# KiCad board Instruction_decoder.kicad_pcb
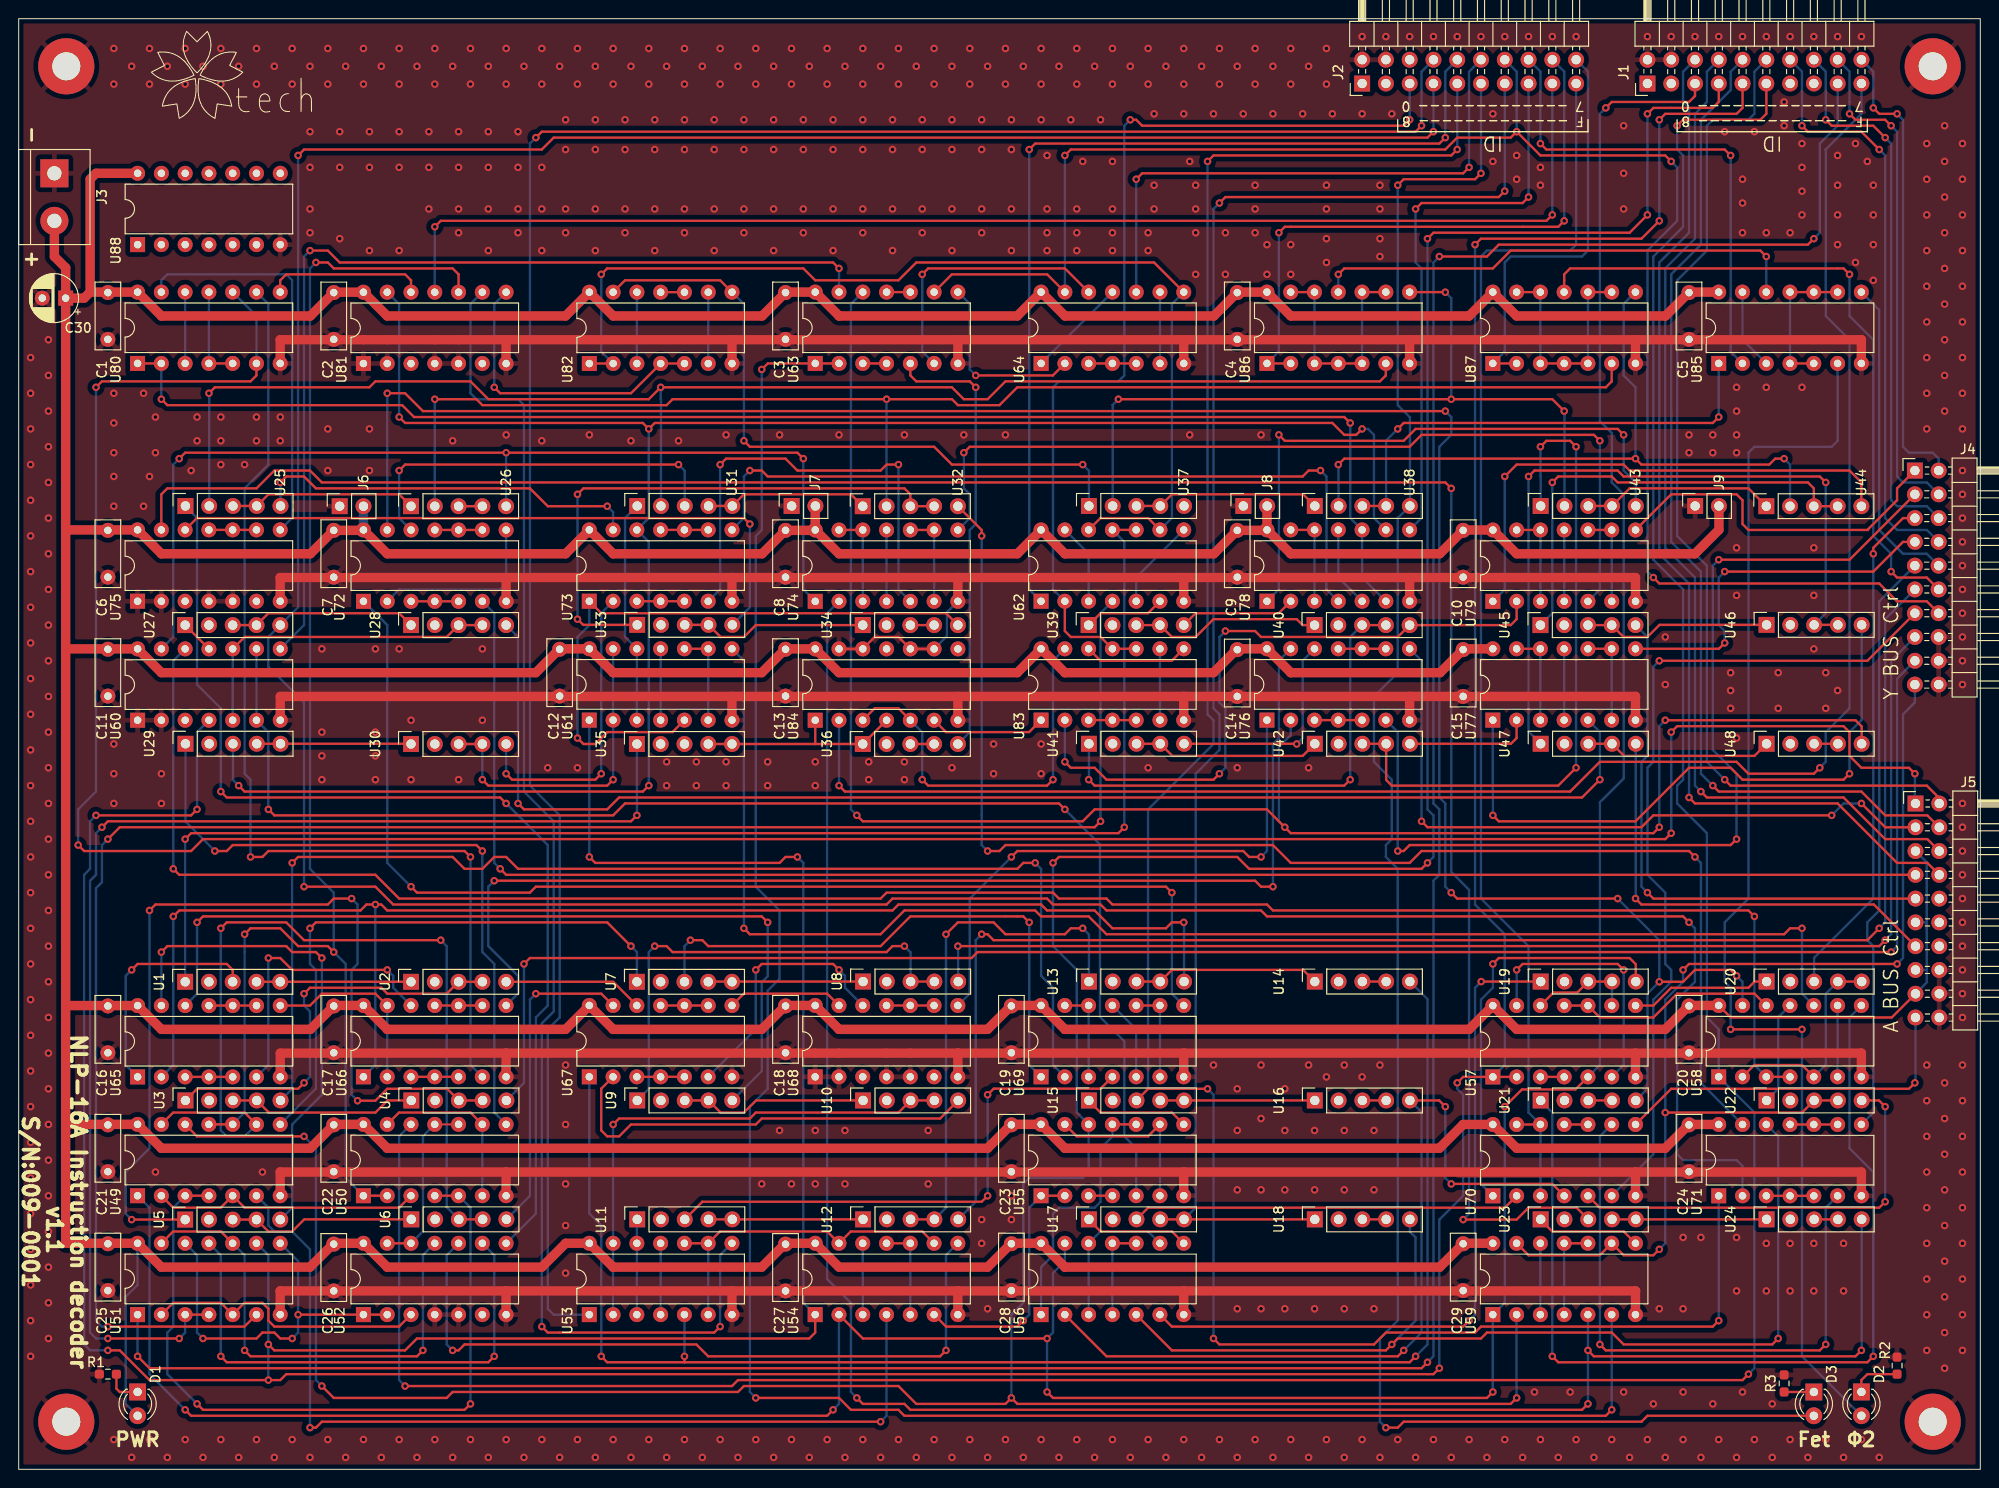
[diagram p0: board, top side]
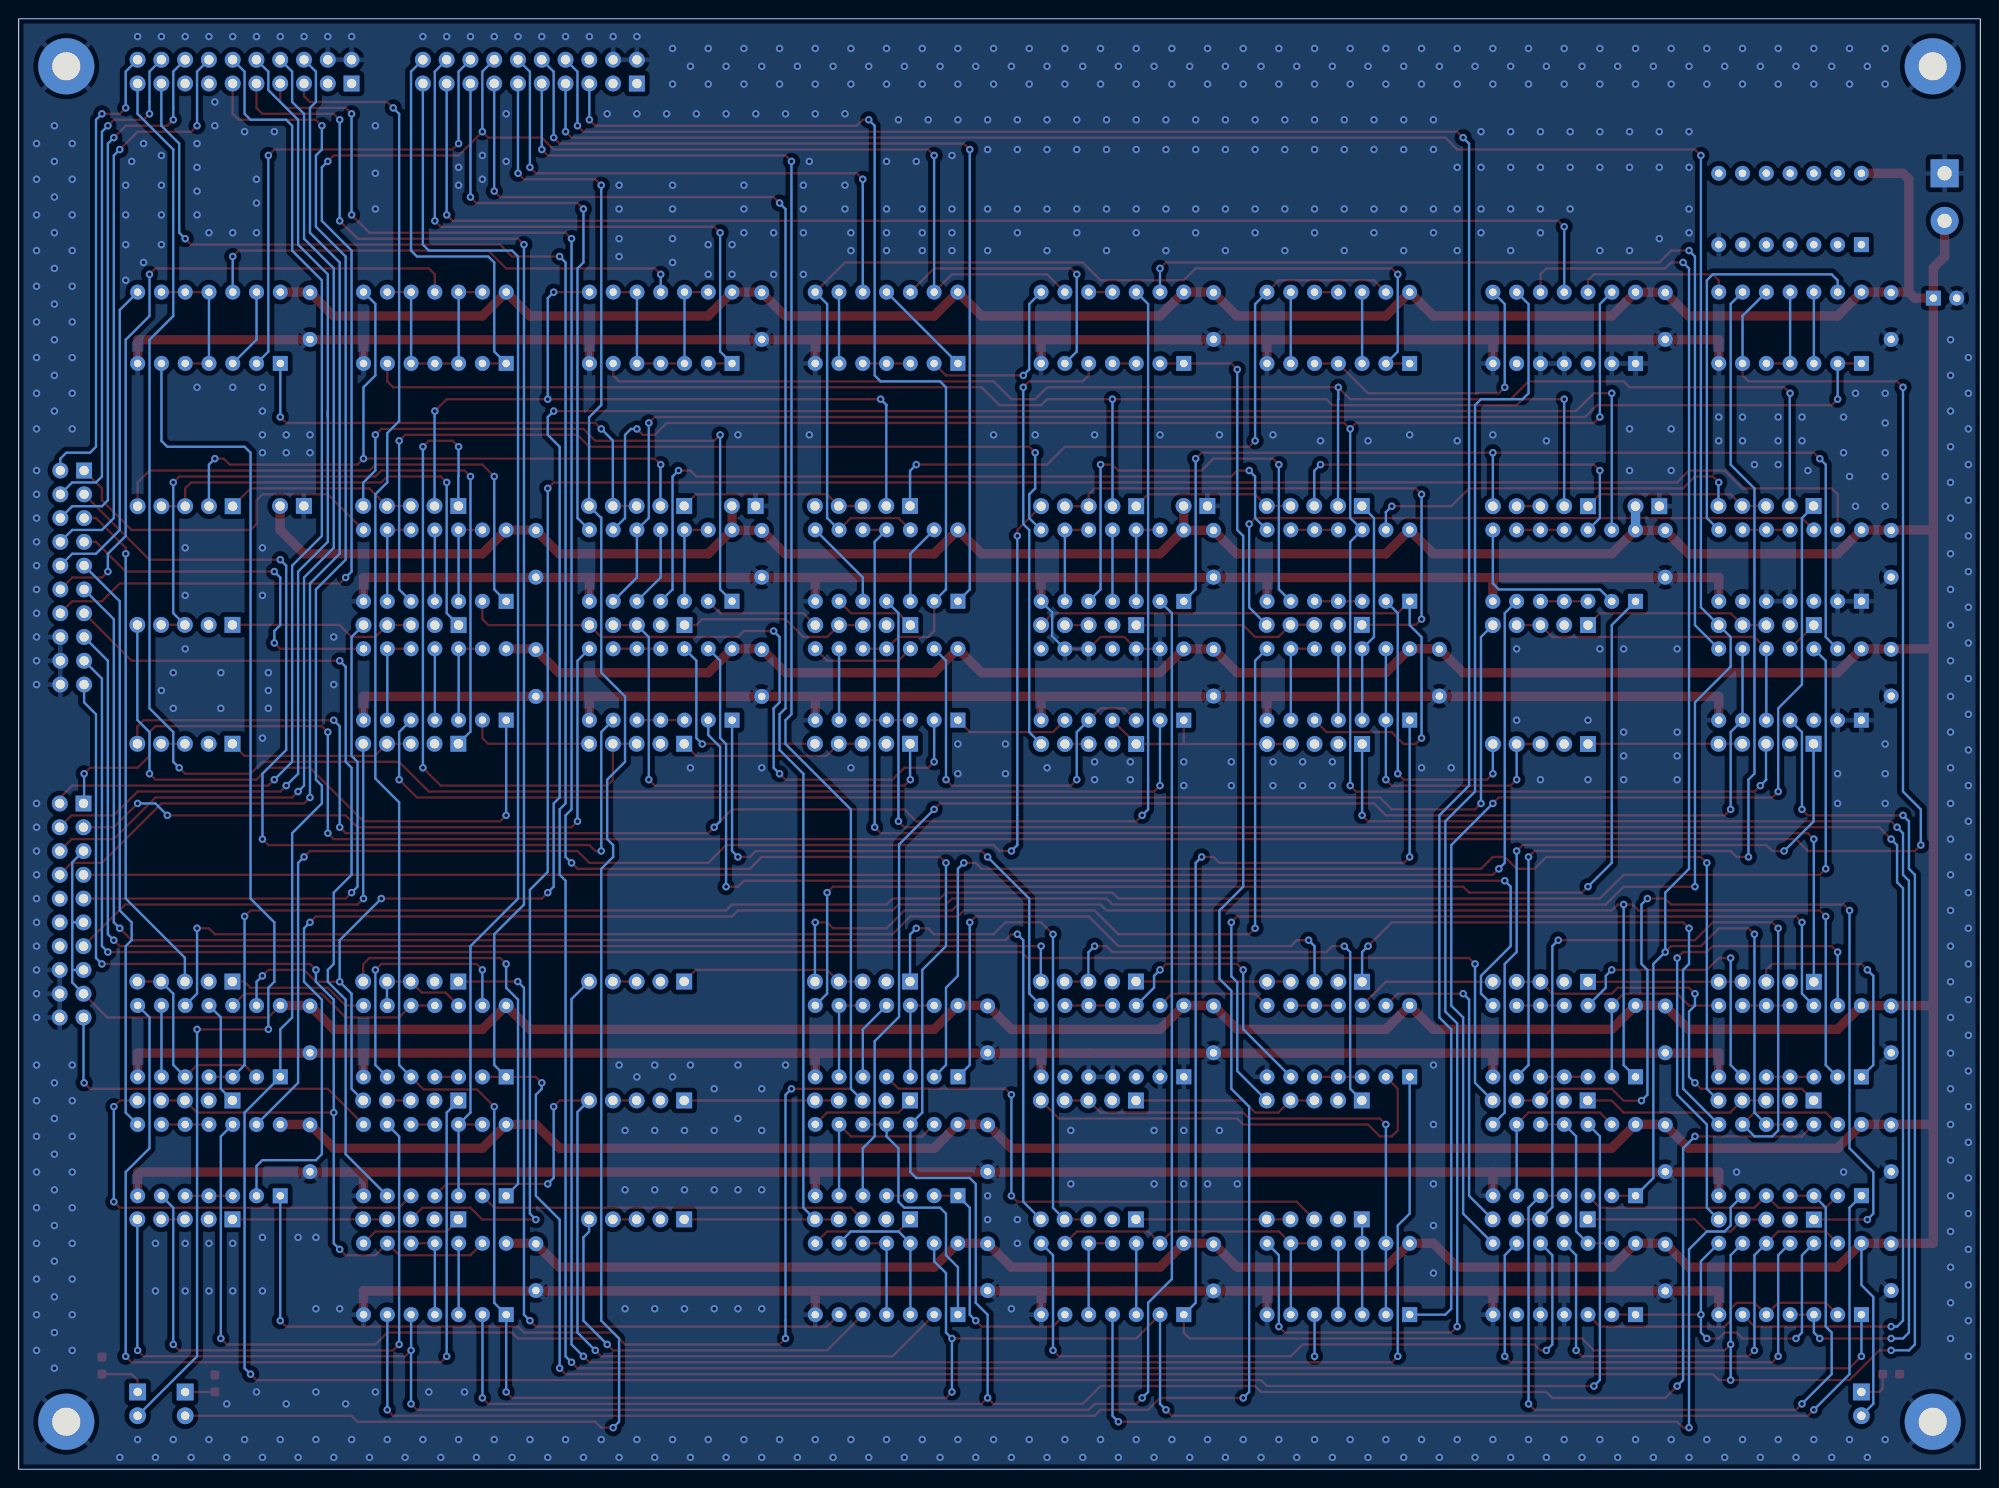
[diagram p1: board, bottom side, seen from below]

Outline 209.55 x 154.94 mm; copper layers: Top, Bottom. Coordinates in mm from the lower left corner of the outline.
Outline path: rectangle 0,154.94 209.55,0
Stack: Top 0.035mm / dielectric 1.51mm FR4 er 4.5 / Bottom 0.035mm

## Placement (name value [footprint] x y rotation side)
C1  C  [C_Disc_D7.0mm_W2.5mm_P5.00mm]  9.52 120.69 90 top
C2  C  [C_Disc_D7.0mm_W2.5mm_P5.00mm]  33.66 120.69 90 top
C3  C  [C_Disc_D7.0mm_W2.5mm_P5.00mm]  81.91 120.69 90 top
C4  C  [C_Disc_D7.0mm_W2.5mm_P5.00mm]  130.18 120.69 90 top
C5  C  [C_Disc_D7.0mm_W2.5mm_P5.00mm]  178.44 120.69 90 top
C6  C  [C_Disc_D7.0mm_W2.5mm_P5.00mm]  9.52 95.29 90 top
C7  C  [C_Disc_D7.0mm_W2.5mm_P5.00mm]  33.66 95.29 90 top
C8  C  [C_Disc_D7.0mm_W2.5mm_P5.00mm]  81.91 95.29 90 top
C9  C  [C_Disc_D7.0mm_W2.5mm_P5.00mm]  130.18 95.29 90 top
C10  C  [C_Disc_D7.0mm_W2.5mm_P5.00mm]  154.31 95.29 90 top
C11  C  [C_Disc_D7.0mm_W2.5mm_P5.00mm]  9.52 82.59 90 top
C12  C  [C_Disc_D7.0mm_W2.5mm_P5.00mm]  57.78 82.59 90 top
C13  C  [C_Disc_D7.0mm_W2.5mm_P5.00mm]  81.91 82.59 90 top
C14  C  [C_Disc_D7.0mm_W2.5mm_P5.00mm]  130.18 82.55 90 top
C15  C  [C_Disc_D7.0mm_W2.5mm_P5.00mm]  154.31 82.55 90 top
C16  C  [C_Disc_D7.0mm_W2.5mm_P5.00mm]  9.52 44.49 90 top
C17  C  [C_Disc_D7.0mm_W2.5mm_P5.00mm]  33.66 44.49 90 top
C18  C  [C_Disc_D7.0mm_W2.5mm_P5.00mm]  81.91 44.49 90 top
C19  C  [C_Disc_D7.0mm_W2.5mm_P5.00mm]  106.04 44.49 90 top
C20  C  [C_Disc_D7.0mm_W2.5mm_P5.00mm]  178.44 44.49 90 top
C21  C  [C_Disc_D7.0mm_W2.5mm_P5.00mm]  9.52 31.79 90 top
C22  C  [C_Disc_D7.0mm_W2.5mm_P5.00mm]  33.66 31.79 90 top
C23  C  [C_Disc_D7.0mm_W2.5mm_P5.00mm]  106.04 31.79 90 top
C24  C  [C_Disc_D7.0mm_W2.5mm_P5.00mm]  178.44 31.79 90 top
C25  C  [C_Disc_D7.0mm_W2.5mm_P5.00mm]  9.52 19.09 90 top
C26  C  [C_Disc_D7.0mm_W2.5mm_P5.00mm]  33.66 19.05 90 top
C27  C  [C_Disc_D7.0mm_W2.5mm_P5.00mm]  81.91 19.05 90 top
C28  C  [C_Disc_D7.0mm_W2.5mm_P5.00mm]  106.04 19.09 90 top
C29  C  [C_Disc_D7.0mm_W2.5mm_P5.00mm]  154.31 19.09 90 top
C30  C_Polarized  [CP_Radial_D5.0mm_P2.50mm]  5.02 125.09 180 top
D1  LED  [LED_D3.0mm]  12.7 8.26 270 top
D2  LED  [LED_D3.0mm]  196.85 8.26 270 top
D3  LED  [LED_D3.0mm]  191.77 8.25 270 top
G***  -  [LOGO]  23.49 148.59 0 top
H1  MountingHole_Pad  [MountingHole_3mm_Pad]  204.47 149.86 0 top
H2  MountingHole_Pad  [MountingHole_3mm_Pad]  204.47 5.08 0 top
H3  MountingHole_Pad  [MountingHole_3mm_Pad]  5.08 5.08 0 top
H4  MountingHole_Pad  [MountingHole_3mm_Pad]  5.08 149.86 0 top
J1  Conn_02x10_Odd_Even  [PinHeader_2x10_P2.54mm_Horizontal]  174 148.02 90 top
J2  Conn_02x10_Odd_Even  [PinHeader_2x10_P2.54mm_Horizontal]  143.51 148.02 90 top
J3  Screw_Terminal_01x02  [TerminalBlock_bornier-2_P5.08mm]  3.81 138.43 270 top
J4  Conn_02x10_Counter_Clockwise  [PinHeader_2x10_P2.54mm_Horizontal]  202.56 106.68 0 top
J5  Conn_02x10_Counter_Clockwise  [PinHeader_2x10_P2.54mm_Horizontal]  202.63 71.11 0 top
J6  Conn_01x02_Female  [PinSocket_1x02_P2.54mm_Vertical]  34.29 102.87 90 top
J7  Conn_01x02_Female  [PinSocket_1x02_P2.54mm_Vertical]  82.57 102.89 90 top
J8  Conn_01x02_Female  [PinSocket_1x02_P2.54mm_Vertical]  130.83 102.89 90 top
J9  Conn_01x02_Female  [PinSocket_1x02_P2.54mm_Vertical]  179.09 102.89 90 top
R1  R  [R_0603_1608Metric_Pad0.98x0.95mm_HandSolder]  9.52 10.16 180 top
R2  R  [R_0603_1608Metric_Pad0.98x0.95mm_HandSolder]  200.66 11.07 90 top
R3  R  [R_0603_1608Metric_Pad0.98x0.95mm_HandSolder]  188.59 9.17 90 top
U1  State_hold_unit  [PinSocket_1x05_P2.54mm_Vertical]  17.78 52.07 90 top
U2  State_hold_unit  [PinSocket_1x05_P2.54mm_Vertical]  41.91 52.07 90 top
U3  State_hold_unit  [PinSocket_1x05_P2.54mm_Vertical]  17.81 39.39 90 top
U4  State_hold_unit  [PinSocket_1x05_P2.54mm_Vertical]  41.94 39.39 90 top
U5  State_hold_unit  [PinSocket_1x05_P2.54mm_Vertical]  17.78 26.67 90 top
U6  State_hold_unit  [PinSocket_1x05_P2.54mm_Vertical]  41.94 26.69 90 top
U7  State_hold_unit  [PinSocket_1x05_P2.54mm_Vertical]  66.04 52.07 90 top
U8  State_hold_unit  [PinSocket_1x05_P2.54mm_Vertical]  90.2 52.09 90 top
U9  State_hold_unit  [PinSocket_1x05_P2.54mm_Vertical]  66.07 39.39 90 top
U10  State_hold_unit  [PinSocket_1x05_P2.54mm_Vertical]  90.2 39.39 90 top
U11  State_hold_unit  [PinSocket_1x05_P2.54mm_Vertical]  66.07 26.69 90 top
U12  State_hold_unit  [PinSocket_1x05_P2.54mm_Vertical]  90.2 26.69 90 top
U13  State_hold_unit  [PinSocket_1x05_P2.54mm_Vertical]  114.33 52.09 90 top
U14  State_hold_unit  [PinSocket_1x05_P2.54mm_Vertical]  138.46 52.09 90 top
U15  State_hold_unit  [PinSocket_1x05_P2.54mm_Vertical]  114.33 39.39 90 top
U16  State_hold_unit  [PinSocket_1x05_P2.54mm_Vertical]  138.46 39.39 90 top
U17  State_hold_unit  [PinSocket_1x05_P2.54mm_Vertical]  114.33 26.69 90 top
U18  State_hold_unit  [PinSocket_1x05_P2.54mm_Vertical]  138.46 26.69 90 top
U19  State_hold_unit  [PinSocket_1x05_P2.54mm_Vertical]  162.59 52.09 90 top
U20  State_hold_unit  [PinSocket_1x05_P2.54mm_Vertical]  186.72 52.09 90 top
U21  State_hold_unit  [PinSocket_1x05_P2.54mm_Vertical]  162.59 39.39 90 top
U22  State_hold_unit  [PinSocket_1x05_P2.54mm_Vertical]  186.72 39.39 90 top
U23  State_hold_unit  [PinSocket_1x05_P2.54mm_Vertical]  162.59 26.69 90 top
U24  State_hold_unit  [PinSocket_1x05_P2.54mm_Vertical]  186.72 26.69 90 top
U25  State_hold_unit  [PinSocket_1x05_P2.54mm_Vertical]  17.81 102.89 90 top
U26  State_hold_unit  [PinSocket_1x05_P2.54mm_Vertical]  41.91 102.87 90 top
U27  State_hold_unit  [PinSocket_1x05_P2.54mm_Vertical]  17.78 90.17 90 top
U28  State_hold_unit  [PinSocket_1x05_P2.54mm_Vertical]  41.91 90.17 90 top
U29  State_hold_unit  [PinSocket_1x05_P2.54mm_Vertical]  17.81 77.49 90 top
U30  State_hold_unit  [PinSocket_1x05_P2.54mm_Vertical]  41.91 77.47 90 top
U31  State_hold_unit  [PinSocket_1x05_P2.54mm_Vertical]  66.07 102.89 90 top
U32  State_hold_unit  [PinSocket_1x05_P2.54mm_Vertical]  90.17 102.87 90 top
U33  State_hold_unit  [PinSocket_1x05_P2.54mm_Vertical]  66.07 90.19 90 top
U34  State_hold_unit  [PinSocket_1x05_P2.54mm_Vertical]  90.17 90.17 90 top
U35  State_hold_unit  [PinSocket_1x05_P2.54mm_Vertical]  66.04 77.47 90 top
U36  State_hold_unit  [PinSocket_1x05_P2.54mm_Vertical]  90.17 77.47 90 top
U37  State_hold_unit  [PinSocket_1x05_P2.54mm_Vertical]  114.33 102.89 90 top
U38  State_hold_unit  [PinSocket_1x05_P2.54mm_Vertical]  138.46 102.89 90 top
U39  State_hold_unit  [PinSocket_1x05_P2.54mm_Vertical]  114.3 90.17 90 top
U40  State_hold_unit  [PinSocket_1x05_P2.54mm_Vertical]  138.43 90.17 90 top
U41  State_hold_unit  [PinSocket_1x05_P2.54mm_Vertical]  114.33 77.49 90 top
U42  State_hold_unit  [PinSocket_1x05_P2.54mm_Vertical]  138.46 77.49 90 top
U43  State_hold_unit  [PinSocket_1x05_P2.54mm_Vertical]  162.59 102.89 90 top
U44  State_hold_unit  [PinSocket_1x05_P2.54mm_Vertical]  186.69 102.87 90 top
U45  State_hold_unit  [PinSocket_1x05_P2.54mm_Vertical]  162.56 90.17 90 top
U46  State_hold_unit  [PinSocket_1x05_P2.54mm_Vertical]  186.72 90.19 90 top
U47  State_hold_unit  [PinSocket_1x05_P2.54mm_Vertical]  162.59 77.49 90 top
U48  State_hold_unit  [PinSocket_1x05_P2.54mm_Vertical]  186.72 77.49 90 top
U49  CD74HC00  [DIP-14_W7.62mm]  12.7 29.22 90 top
U50  CD74HC00  [DIP-14_W7.62mm]  36.83 29.22 90 top
U51  CD74HC00  [DIP-14_W7.62mm]  12.7 16.52 90 top
U52  CD74HC00  [DIP-14_W7.62mm]  36.83 16.52 90 top
U53  CD74HC00  [DIP-14_W7.62mm]  60.95 16.52 90 top
U54  CD74HC00  [DIP-14_W7.62mm]  85.08 16.52 90 top
U55  CD74HC00  [DIP-14_W7.62mm]  109.22 29.22 90 top
U56  CD74HC00  [DIP-14_W7.62mm]  109.22 16.52 90 top
U57  CD74HC00  [DIP-14_W7.62mm]  157.48 41.91 90 top
U58  CD74HC00  [DIP-14_W7.62mm]  181.6 41.92 90 top
U59  CD74HC00  [DIP-14_W7.62mm]  157.47 16.52 90 top
U60  CD74HC00  [DIP-14_W7.62mm]  12.7 80.01 90 top
U61  CD74HC00  [DIP-14_W7.62mm]  60.95 80.02 90 top
U62  CD74HC00  [DIP-14_W7.62mm]  109.22 92.72 90 top
U63  CD74HC00  [DIP-14_W7.62mm]  85.09 118.12 90 top
U64  CD74HC00  [DIP-14_W7.62mm]  109.22 118.12 90 top
U65  CD74HC00  [DIP-14_W7.62mm]  12.7 41.91 90 top
U66  CD74HC00  [DIP-14_W7.62mm]  36.83 41.92 90 top
U67  CD74HC00  [DIP-14_W7.62mm]  60.95 41.92 90 top
U68  CD74HC00  [DIP-14_W7.62mm]  85.08 41.92 90 top
U69  CD74HC00  [DIP-14_W7.62mm]  109.22 41.92 90 top
U70  CD74HC00  [DIP-14_W7.62mm]  157.48 29.21 90 top
U71  CD74HC00  [DIP-14_W7.62mm]  181.61 29.21 90 top
U72  CD74HC00  [DIP-14_W7.62mm]  36.83 92.71 90 top
U73  CD74HC00  [DIP-14_W7.62mm]  60.95 92.72 90 top
U74  CD74HC00  [DIP-14_W7.62mm]  85.09 92.71 90 top
U75  CD74HC00  [DIP-14_W7.62mm]  12.7 92.72 90 top
U76  CD74HC00  [DIP-14_W7.62mm]  133.34 80.02 90 top
U77  CD74HC00  [DIP-14_W7.62mm]  157.47 80.02 90 top
U78  CD74HC00  [DIP-14_W7.62mm]  133.35 92.72 90 top
U79  CD74HC00  [DIP-14_W7.62mm]  157.48 92.71 90 top
U80  CD74HC00  [DIP-14_W7.62mm]  12.7 118.12 90 top
U81  CD74HC00  [DIP-14_W7.62mm]  36.83 118.11 90 top
U82  CD74HC00  [DIP-14_W7.62mm]  60.96 118.11 90 top
U83  CD74HC00  [DIP-14_W7.62mm]  109.22 80.02 90 top
U84  CD74HC00  [DIP-14_W7.62mm]  85.09 80.01 90 top
U85  CD74HC00  [DIP-14_W7.62mm]  181.6 118.12 90 top
U86  CD74HC00  [DIP-14_W7.62mm]  133.34 118.12 90 top
U87  CD74HC00  [DIP-14_W7.62mm]  157.47 118.12 90 top
U88  CD74HC00  [DIP-14_W7.62mm]  12.7 130.81 90 top

## Footprints (pads in the part's own frame, mm; a bottom-side part is the same pattern mirrored in y, then rotated)
C_Disc_D7.0mm_W2.5mm_P5.00mm
  round 1.6 hole 0.8: 1(0,0) 2(5,0)
CP_Radial_D5.0mm_P2.50mm
  rect 1.6x1.6 hole 0.8: 1(0,0)
  round 1.6 hole 0.8: 2(2.5,0)
DIP-14_W7.62mm
  rect 1.6x1.6 hole 0.8: 1(0,0)
  oval 1.6x1.6 hole 0.8: 2(0,-2.54) 3(0,-5.08) 4(0,-7.62) 5(0,-10.16) 6(0,-12.7) 7(0,-15.24) 8(7.62,-15.24) 9(7.62,-12.7) 10(7.62,-10.16) 11(7.62,-7.62) 12(7.62,-5.08) 13(7.62,-2.54) 14(7.62,0)
LED_D3.0mm
  rect 1.8x1.8 hole 0.9: 1(0,0)
  round 1.8 hole 0.9: 2(2.54,0)
MountingHole_3mm_Pad
  round 6 hole 3: 1(0,0)
PinHeader_2x10_P2.54mm_Horizontal
  rect 1.7x1.7 hole 1: 1(0,0)
  oval 1.7x1.7 hole 1: 2(2.54,0) 3(0,-2.54) 4(2.54,-2.54) 5(0,-5.08) 6(2.54,-5.08) 7(0,-7.62) 8(2.54,-7.62) 9(0,-10.16) 10(2.54,-10.16) 11(0,-12.7) 12(2.54,-12.7) 13(0,-15.24) 14(2.54,-15.24) 15(0,-17.78) 16(2.54,-17.78) 17(0,-20.32) 18(2.54,-20.32) 19(0,-22.86) 20(2.54,-22.86)
PinSocket_1x02_P2.54mm_Vertical
  rect 1.7x1.7 hole 1: 1(0,0)
  oval 1.7x1.7 hole 1: 2(0,-2.54)
PinSocket_1x05_P2.54mm_Vertical
  rect 1.7x1.7 hole 1: 1(0,0)
  oval 1.7x1.7 hole 1: 2(0,-2.54) 3(0,-5.08) 4(0,-7.62) 5(0,-10.16)
R_0603_1608Metric_Pad0.98x0.95mm_HandSolder
  rrect 0.975x0.95 smd: 1(-0.912,0) 2(0.912,0)
TerminalBlock_bornier-2_P5.08mm
  rect 3x3 hole 1.52: 1(0,0)
  round 3 hole 1.52: 2(5.08,0)

## Nets
GND: C1.1 C2.1 C3.1 C4.1 C5.1 C6.1 C7.1 C8.1 C9.1 C10.1 C11.1 C12.1 C13.1 C14.1 C15.1 C16.1 C17.1 C18.1 C19.1 C20.1 C21.1 C22.1 C23.1 C24.1 C25.1 C26.1 C27.1 C28.1 C29.1 C30.2 H1.1 H2.1 H3.1 H4.1 J1.2 J1.4 J2.2 J2.4 J3.1 J4.16 J4.18 J4.20 J5.16 J5.18 J5.20 J6.1 J7.1 J8.1 J9.1 R1.2 R2.2 R3.2 U49.7 U50.7 U51.7 U52.4 U52.5 U52.7 U53.7 U54.7 U55.7 U56.7 U57.7 U58.7 U59.7 U60.1 U60.2 U60.7 U61.7 U62.7 U63.7 U64.7 U65.7 U66.7 U67.7 U68.1 U68.2 U68.4 U68.5 U68.7 U69.7 U70.7 U71.7 U72.7 U73.7 U74.7 U75.1 U75.2 U75.4 U75.5 U75.7 U76.7 U77.7 U78.7 U79.7 U80.7 U81.1 U81.2 U81.4 U81.5 U81.7 U82.7 U83.7 U84.7 U84.9 U84.10 U84.12 U84.13 U85.7 U86.7 U87.7 U88.7
VCC: C1.2 C2.2 C3.2 C4.2 C5.2 C6.2 C7.2 C8.2 C9.2 C10.2 C11.2 C12.2 C13.2 C14.2 C15.2 C16.2 C17.2 C18.2 C19.2 C20.2 C21.2 C22.2 C23.2 C24.2 C25.2 C26.2 C27.2 C28.2 C29.2 C30.1 D1.2 J3.2 J5.5 J5.11 J5.15 J5.17 J6.2 J7.2 J8.2 J9.2 U49.14 U50.14 U51.14 U52.14 U53.14 U54.14 U55.14 U56.14 U57.14 U58.14 U59.14 U60.14 U61.14 U62.14 U63.14 U64.14 U65.14 U66.14 U67.14 U68.14 U69.14 U70.14 U71.14 U72.14 U73.14 U74.14 U75.14 U76.14 U77.14 U78.14 U79.14 U80.14 U81.14 U82.14 U83.14 U84.14 U85.14 U86.14 U87.14 U88.14
3word: J2.8 U53.1
A_BUS_Addr0: J1.12 J5.2
A_BUS_Addr1: J1.10 J5.4
A_BUS_Addr2: J1.8 J5.6
A_BUS_Addr3: J1.6 J5.8
Acc_Y: J4.13 U70.6
END_EXE: U59.6 U63.1 U63.2
EXE_FETCH: U54.6 U55.1 U55.2
Fetch1->: U3.5 U69.2
Fetch2->: U7.3 U69.1
Fetch3->: U11.3 U69.4
Fetch_Status: D3.2 J2.11 U38.5
INT: J2.10 U62.1
INT_EN: J2.5 U62.2 U83.10 U83.11
INT_START: U62.9 U62.12 U64.8 U82.1 U82.2
NOP: J2.16 U85.2
OP0: J1.19 U84.2
OP1: J1.17 U51.1
OP2: J1.15
OP3: J1.13
OP4: J1.11 U50.12 U58.1
OP5: J1.9 U51.9 U54.1 U57.1 U57.2 U60.4 U61.1
OP6: J1.7 U49.12 U55.12 U59.2
OP7: J1.5 U49.1 U54.2 U56.13 U57.5 U59.1
phi1: J2.20 U87.1 U87.2
phi1_1: U26.2 U32.2 U87.6
phi1_2: U38.2 U44.2 U87.8
phi1_3: J4.12 U87.11
phi2: J2.18 U86.1 U86.2
phi2_1: U25.2 U31.2 U86.6
phi2_2: U37.2 U43.2 U86.8
phi2_3: U85.12 U86.11
PUSH_FETCH: U25.1 U52.8
Reg_pulse: J4.10 U85.8
Y_BUS_Addr0: J1.20 J4.2
Y_BUS_Addr1: J1.18 J4.4
Y_BUS_Addr2: J1.16 J4.6
Y_BUS_Addr3: J1.14 J4.8
Y_Flag_sel: J2.13 U17.4 U17.5 U18.1
~{->Flag_Return}: U32.5 U71.13
~{->Flag_SAVE}: U46.5 U77.1
~{->Flag_SET}: U18.5 U56.5 U71.12
~{->IP_INC1}: U6.5 U67.13
~{->IP_INC2}: U10.5 U67.2
~{->IP_INC3}: U14.5 U53.5 U67.1
~{->IP_SAVE}: U42.5 U77.2
~{->IP_SET}: U2.5 U67.12
~{->IV_JMP/END_INT}: U48.5 U63.12 U76.2
~{->RAM_STORE}: U28.5 U77.5
~{->SP_DEC_INT1}: U40.5 U79.2 U83.2
~{->SP_DEC_INT2}: U44.5 U79.1
~{->SP_DEC_PUSH}: U26.5 U60.13 U74.1
~{->SP_INC_POP}: U24.5 U59.5 U74.2
~{->SP_INC_RET}: U34.5 U61.5 U73.1
~{->SP_SET}: U30.5 U73.2
~{AccWR}: U16.5 U56.2 U70.4
~{Address_Y}: J4.5 U20.3
~{DEC_ALU}: J2.15 U78.8
~{EI/DI_FETCH}: U35.1 U51.3 U51.4
~{END_PUSH}: U60.8 U63.13
~{EXE_POP}: U58.10 U61.8
~{EXE_PUSH}: U55.5 U60.6 U60.9
~{Fetch_END1}: U49.10 U49.11 U50.1 U50.2 U81.10
~{Fetch_END2}: U53.8 U81.9
~{FETCH_INT}: U1.1 U62.10 U62.11
~{Fetch_Status}: U38.3 U38.4 U85.1
~{Flag_Return->}: U31.3 U72.12
~{Flag_SAVE->}: J5.9 U45.5
~{Flag_SET->}: U17.3 U70.2
~{Flag_Y}: J4.9 U71.8
~{INC_ALU}: J2.17 U81.11
~{INT_FETCH}: U51.6 U62.4
~{INTERNAL_ALU}: J2.19 U70.3 U70.12 U70.13
~{INTERNAL_A}: J5.19 U70.8
~{INTERNAL_Y}: J4.19 U22.3 U22.4 U59.9 U59.13
~{IP_A}: J5.3 U76.8
~{IP_INC1->}: U5.5 U65.13
~{IP_INC2->}: U9.5 U65.12
~{IP_INC3->}: U13.5 U65.2 U66.1
~{IP_SAVE->}: U41.5 U76.12
~{IP_SET->}: U1.3 U65.1
~{IP_Y}: J4.3 U76.6
~{IR1_Y}: J4.17 U4.5
~{IR2_Y}: J4.15 U8.5
~{IR3_Y}: J4.11 U12.5
~{IV_JMP->}: J5.13 U47.5
~{MEM_A}: J5.7 U72.6
~{MEM_Y}: J4.7 U77.8
~{OP->}: U19.5 U70.1
~{POP_FETCH}: U29.1 U50.8
~{PUSH_EXE}: U58.3 U58.4 U60.12
~{RA3}: J2.9 U15.3 U71.1
~{RAM_LOAD->}: U21.5 U58.13 U72.13
~{RAM_STORE->}: J2.7 U27.5 U71.2
~{RS}: J2.14 J4.14 U63.9 U64.13
~{Seed_pluse}: J2.12 U64.10
~{SP_A}: J5.1 U80.6 U80.10
~{SP_DEC_INT1->}: U39.5 U78.2
~{SP_DEC_INT2->}: U43.5 U78.1
~{SP_DEC_PUSH->}: U25.5 U73.13
~{SP_INC_POP->}: U23.3 U75.13
~{SP_INC_RET->}: U33.5 U75.12
~{SP_SET->}: U29.3 U73.12 U78.9 U81.13
~{SP_Y}: J4.1 U79.8
~{WB}: U22.5 U70.5
Net-(D1-Pad1): D1.1 R1.1
Net-(D2-Pad1): D2.1 R2.1
Net-(D2-Pad2): D2.2 U85.6
Net-(D3-Pad1): D3.1 R3.1
Net-(U1-Pad4): U1.4 U1.5 U2.1
Net-(U2-Pad3): U2.3 U2.4 U3.1
Net-(U3-Pad3): U3.3 U3.4 U4.1
Net-(U4-Pad3): U4.3 U4.4 U5.1
Net-(U5-Pad3): U5.3 U5.4 U6.1
Net-(U7-Pad4): U7.4 U7.5 U8.1
Net-(U8-Pad3): U8.3 U8.4 U9.1
Net-(U10-Pad1): U9.3 U9.4 U10.1
Net-(U10-Pad3): U10.3 U10.4 U53.2 U53.13
Net-(U11-Pad1): U11.1 U53.3 U53.12
Net-(U11-Pad4): U11.4 U11.5 U12.1
Net-(U12-Pad3): U12.3 U12.4 U13.1
Net-(U13-Pad3): U13.3 U13.4 U14.1
Net-(U14-Pad3): U14.3 U14.4
Net-(U15-Pad1): U15.1 U55.8
Net-(U15-Pad4): U15.4 U15.5 U16.1
Net-(U16-Pad3): U16.3 U16.4
Net-(U17-Pad1): U17.1 U56.8
Net-(U18-Pad3): U18.3 U18.4
Net-(U19-Pad1): U19.1 U56.6
Net-(U19-Pad3): U19.3 U19.4 U57.9 U57.12
Net-(U20-Pad1): U20.1 U57.8
Net-(U20-Pad4): U20.4 U20.5 U58.2 U58.5
Net-(U21-Pad1): U21.1 U58.8
Net-(U21-Pad3): U21.3 U21.4
Net-(U22-Pad1): U22.1 U58.11
Net-(U23-Pad1): U23.1 U59.8
Net-(U23-Pad4): U23.4 U23.5 U24.1
Net-(U24-Pad3): U24.3 U24.4
Net-(U25-Pad3): U25.3 U25.4 U26.1
Net-(U26-Pad3): U26.3 U26.4
Net-(U27-Pad1): U27.1 U60.11
Net-(U27-Pad3): U27.3 U27.4 U28.1
Net-(U28-Pad3): U28.3 U28.4 U60.5 U60.10
Net-(U29-Pad4): U29.4 U29.5 U30.1
Net-(U30-Pad3): U30.3 U30.4 U61.2 U61.13
Net-(U31-Pad1): U31.1 U61.3 U61.12
Net-(U31-Pad4): U31.4 U31.5 U32.1
Net-(U32-Pad3): U32.3 U32.4 U33.1
Net-(U33-Pad3): U33.3 U33.4 U34.1
Net-(U34-Pad3): U34.3 U34.4
Net-(U35-Pad4): U35.4 U35.5 U36.1 U84.1 U84.4
Net-(U36-Pad3): U36.3 U36.4
Net-(U36-Pad5): U36.5 U63.5
Net-(U37-Pad1): U37.1 U82.8 U82.13
Net-(U37-Pad3): U37.3 U37.4 U38.1
Net-(U39-Pad1): U39.1 U62.6
Net-(U39-Pad3): U39.3 U39.4 U40.1
Net-(U40-Pad3): U40.3 U40.4 U41.1
Net-(U41-Pad3): U41.3 U41.4 U42.1
Net-(U42-Pad3): U42.3 U42.4 U43.1
Net-(U43-Pad3): U43.3 U43.4 U44.1
Net-(U44-Pad3): U44.3 U44.4 U45.1
Net-(U45-Pad3): U45.3 U45.4 U46.1
Net-(U46-Pad3): U46.3 U46.4 U47.1
Net-(U47-Pad3): U47.3 U47.4 U48.1
Net-(U48-Pad3): U48.3 U48.4
Net-(U49-Pad2): U49.2 U49.5 U50.3
Net-(U49-Pad3): U49.3 U49.4 U50.4 U50.5
Net-(U49-Pad6): U49.6 U54.4
Net-(U49-Pad8): U7.1 U49.8
Net-(U49-Pad13): U6.3 U6.4 U49.9 U49.13
Net-(U50-Pad10): U50.10 U50.11 U52.12 U52.13
Net-(U50-Pad13): U50.6 U50.9 U50.13
Net-(U51-Pad2): U51.2 U51.5 U52.3
Net-(U51-Pad10): U51.10 U51.13 U52.11
Net-(U51-Pad11): U51.11 U52.9
Net-(U51-Pad12): U51.8 U51.12 U52.1 U52.2
Net-(U52-Pad10): U52.10 U54.8
Net-(U53-Pad10): U53.6 U53.9 U53.10 U54.9 U54.13
Net-(U53-Pad11): U53.4 U53.11
Net-(U54-Pad10): U54.5 U54.10 U54.11
Net-(U54-Pad12): U54.3 U54.12
Net-(U55-Pad3): U55.3 U55.4
Net-(U55-Pad10): U55.10 U55.11 U56.1
Net-(U55-Pad13): U55.6 U55.9 U55.13
Net-(U56-Pad10): U56.4 U56.10 U56.11
Net-(U56-Pad12): U56.3 U56.9 U56.12
Net-(U57-Pad3): U57.3 U57.4
Net-(U57-Pad10): U57.10 U57.11 U58.12
Net-(U57-Pad13): U57.6 U57.13
Net-(U58-Pad6): U58.6 U58.9
Net-(U59-Pad10): U59.4 U59.10 U59.11
Net-(U59-Pad12): U59.3 U59.12
Net-(U61-Pad10): U61.6 U61.9 U61.10
Net-(U61-Pad11): U61.4 U61.11
Net-(U62-Pad5): U62.5 U62.8
Net-(U62-Pad13): U62.3 U62.13
Net-(U63-Pad3): U63.3 U63.4
Net-(U63-Pad6): U63.6 U64.12
Net-(U63-Pad8): U63.8 U64.2
Net-(U63-Pad10): U63.10 U63.11
Net-(U64-Pad1): U64.1 U64.11
Net-(U64-Pad3): U64.3 U64.4 U64.5
Net-(U64-Pad6): U64.6 U64.9
Net-(U65-Pad3): U65.3 U65.4 U65.5
Net-(U65-Pad6): U65.6 U66.12
Net-(U65-Pad8): U65.8 U66.2 U66.13
Net-(U65-Pad10): U65.9 U65.10 U65.11
Net-(U66-Pad3): U66.3 U66.4 U66.5
Net-(U66-Pad6): U66.6 U80.9
Net-(U66-Pad8): U66.8 U76.13
Net-(U66-Pad10): U66.9 U66.10 U66.11
Net-(U67-Pad3): U67.3 U67.4 U67.5
Net-(U67-Pad6): U67.6 U68.12
Net-(U67-Pad8): U67.8 U68.13
Net-(U67-Pad10): U67.9 U67.10 U67.11
Net-(U68-Pad8): U68.8 U76.1
Net-(U68-Pad10): U68.9 U68.10 U68.11
Net-(U69-Pad8): U69.8 U72.1
Net-(U69-Pad10): U69.6 U69.9 U69.10
Net-(U69-Pad11): U69.5 U69.11
Net-(U69-Pad12): U69.3 U69.12 U69.13
Net-(U70-Pad9): U70.9 U71.6
Net-(U70-Pad10): U70.10 U70.11
Net-(U71-Pad3): U71.3 U71.4 U71.5
Net-(U71-Pad10): U71.9 U71.10 U71.11
Net-(U72-Pad2): U72.2 U72.8
Net-(U72-Pad3): U72.3 U72.4 U72.5
Net-(U72-Pad10): U72.9 U72.10 U72.11
Net-(U73-Pad3): U73.3 U73.4 U73.5
Net-(U73-Pad6): U73.6 U74.5
Net-(U73-Pad8): U73.8 U78.4
Net-(U73-Pad10): U73.9 U73.10 U73.11
Net-(U74-Pad8): U74.8 U79.5
Net-(U74-Pad10): U74.6 U74.9 U74.10
Net-(U74-Pad11): U74.4 U74.11
Net-(U74-Pad12): U74.3 U74.12 U74.13
Net-(U75-Pad8): U75.8 U80.13
Net-(U75-Pad10): U75.9 U75.10 U75.11
Net-(U76-Pad3): U76.3 U76.4 U76.5
Net-(U76-Pad10): U76.9 U76.10 U76.11
Net-(U77-Pad10): U77.6 U77.9 U77.10
Net-(U77-Pad11): U77.4 U77.11
Net-(U77-Pad12): U77.3 U77.12 U77.13
Net-(U78-Pad10): U78.6 U78.10 U80.1 U80.2
Net-(U78-Pad11): U78.5 U78.11
Net-(U78-Pad12): U78.3 U78.12 U78.13